# Altium PCB 2-quilter-output.pcbdoc (part 16 of 17) (continued)
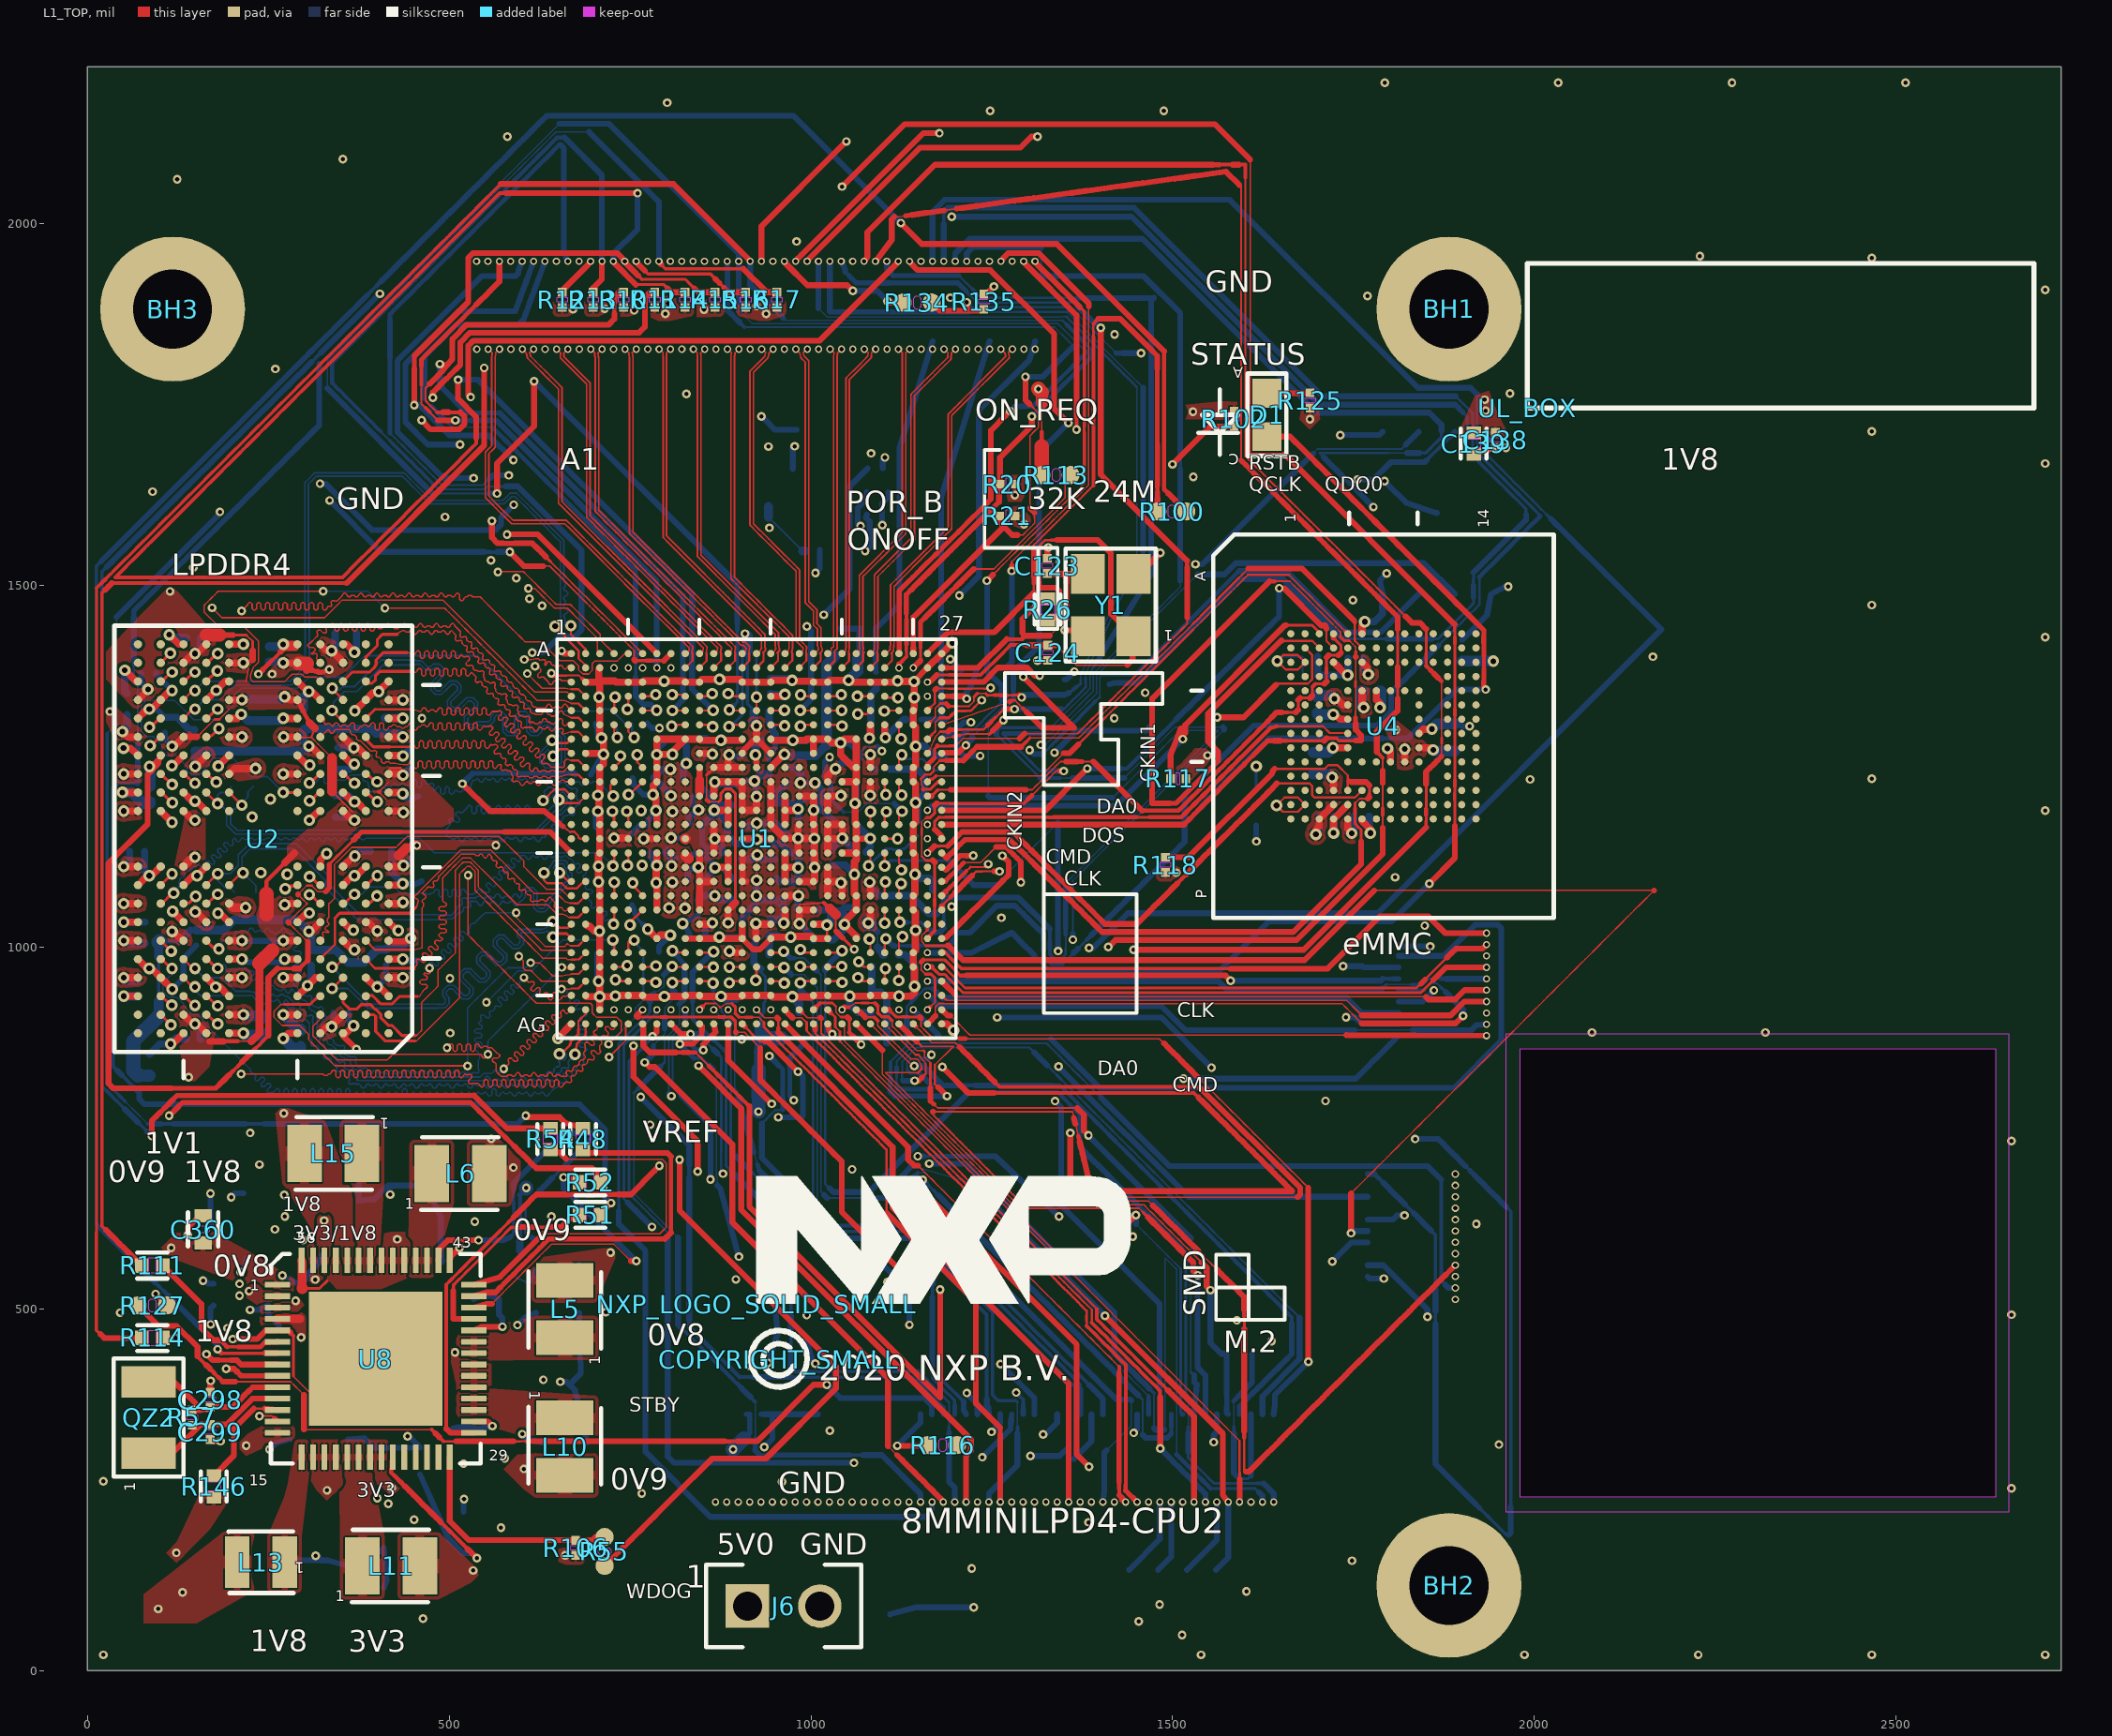
[diagram p0: L1_TOP view]
## Polygon pours and split planes (outlines as drawn) (continued)
NVCC_ENET on L1_TOP "POUR_81" (solid, pour order 81): 64 vertices, not listed, extent 1064.71,1018.83 1094.11,1063.16
NVCC_SD2 on L1_TOP "POUR_84" (solid, pour order 84): 64 vertices, not listed, extent 1066.53,1059.48 1095.93,1104.79
NVCC_SD2 on L1_TOP "POUR_85" (solid, pour order 85): 24 vertices, not listed, extent 301.39,530.44 325.86,591.25
NVCC_SNVS_1V8 on L1_TOP "POUR_92" (solid, pour order 92): 49 vertices, not listed, extent 1067.47,1236.64 1096.87,1280.88
NVCC_SNVS_1V8 on L1_TOP "POUR_93" (solid, pour order 93): 25 vertices, not listed, extent 1269.37,1576.75 1308.82,1610.23
NVCC_SNVS_1V8 on L1_TOP "POUR_94" (solid, pour order 94): 23 vertices, not listed, extent 1269.71,1615.63 1295.46,1652.59
NVCC_SNVS_1V8 on L1_TOP "POUR_95" (solid, pour order 95): 24 vertices, not listed, extent 1517.93,1728.09 1597.43,1754.95
NVCC_SNVS_1V8 on L1_TOP "POUR_96" (solid, pour order 96): 26 vertices, not listed, extent 238.67,491.41 300.01,517.65
NetL15_1 on L1_TOP "POUR_100" (solid, pour order 100): 42 vertices, not listed, extent 349.06,542.87 410.44,761.19
VDDA_1V8 on L1_TOP "POUR_101" (solid, pour order 101): 75 vertices, not listed, extent 893.53,1256.33 956.25,1320.6
VDDA_1V8 on L1_TOP "POUR_102" (solid, pour order 102): 71 vertices, not listed, extent 909.32,1000.42 956.25,1047.6
VDDA_1V8 on L1_TOP "POUR_103" (solid, pour order 103): 63 vertices, not listed, extent 713.19,1136.2 759.41,1165.6
VDDA_1V8 on L1_TOP "POUR_104" (solid, pour order 104): 60 vertices, not listed, extent 1011.63,1118.54 1058.26,1181.26
VDDA_1V8 on L1_TOP "POUR_105" (solid, pour order 105): 25 vertices, not listed, extent 317.13,542.87 342,632.31
VDD_1V8 on L1_TOP "POUR_115" (solid, pour order 115): 66 vertices, not listed, extent 134.57,1022.31 177.02,1063.48
VDD_1V8 on L1_TOP "POUR_116" (solid, pour order 116): 65 vertices, not listed, extent 134.63,1235.1 177.02,1277.49
VDD_1V8 on L1_TOP "POUR_117" (solid, pour order 117): 65 vertices, not listed, extent 291.62,1007.25 334.5,1047.17
VDD_1V8 on L1_TOP "POUR_118" (solid, pour order 118): 65 vertices, not listed, extent 291.62,1252.63 334.5,1292.55
VDD_1V8 on L1_TOP "POUR_119" (solid, pour order 119): 63 vertices, not listed, extent 404.13,1275.95 450.94,1305.35
VDD_1V8 on L1_TOP "POUR_120" (solid, pour order 120): 63 vertices, not listed, extent 404.13,996.72 461.53,1027.08
VDD_1V8 on L1_TOP "POUR_121" (solid, pour order 121): 49 vertices, not listed, extent 22.94,1278.22 82.53,1333.87
VDD_1V8 on L1_TOP "POUR_122" (solid, pour order 122): 53 vertices, not listed, extent 35.71,994.45 82.53,1023.85
VDD_1V8 on L1_TOP "POUR_123" (solid, pour order 123): 63 vertices, not listed, extent 872.79,979.9 916.89,1009.3
VDD_1V8 on L1_TOP "POUR_124" (solid, pour order 124): 71 vertices, not listed, extent 854.15,1236.64 916.89,1280.6
VDD_1V8 on L1_TOP "POUR_125" (solid, pour order 125): 63 vertices, not listed, extent 870.9,1018.92 900.3,1063.16
VDD_1V8 on L1_TOP "POUR_126" (solid, pour order 126): 74 vertices, not listed, extent 1011.63,1059.48 1056.33,1122.21
VDD_1V8 on L1_TOP "POUR_127" (solid, pour order 127): 70 vertices, not listed, extent 1011.63,1177.59 1056.31,1224.07
VDD_1V8 on L1_TOP "POUR_128" (solid, pour order 128): 70 vertices, not listed, extent 1683.1,1141.32 1733.96,1208.67
VDD_1V8 on L1_TOP "POUR_129" (solid, pour order 129): 63 vertices, not listed, extent 1705.69,1205 1735.09,1249.55
VDD_1V8 on L1_TOP "POUR_130" (solid, pour order 130): 65 vertices, not listed, extent 1730.29,1142.67 1762.16,1188.99
VDD_1V8 on L1_TOP "POUR_131" (solid, pour order 131): 65 vertices, not listed, extent 1749.97,1362.37 1784.97,1405.52
VDD_1V8 on L1_TOP "POUR_132" (solid, pour order 132): 24 vertices, not listed, extent 651.23,146.43 687.69,172.18
VDD_1V8 on L1_TOP "POUR_133" (solid, pour order 133): 36 vertices, not listed, extent 897.3,1865.46 965.69,1896.82
VDD_1V8 on L1_TOP "POUR_134" (solid, pour order 134): 24 vertices, not listed, extent 842.26,1871.14 880.27,1896.82
VDD_1V8 on L1_TOP "POUR_135" (solid, pour order 135): 37 vertices, not listed, extent 771.56,1865.36 838.7,1900.56
VDD_1V8 on L1_TOP "POUR_136" (solid, pour order 136): 34 vertices, not listed, extent 686.56,1871.44 721.16,1896.82
VDD_1V8 on L1_TOP "POUR_137" (solid, pour order 137): 34 vertices, not listed, extent 643.56,1871.44 677.21,1896.82
VDD_1V8 on L1_TOP "POUR_138" (solid, pour order 138): 34 vertices, not listed, extent 728.6,1871.44 761.85,1896.82
VDD_1V8 on L1_TOP "POUR_139" (solid, pour order 139): 31 vertices, not listed, extent 1899.31,1695.07 1960.19,1769.46
VDD_1V8 on L1_TOP "POUR_140" (solid, pour order 140): 31 vertices, not listed, extent 1503.83,1220.31 1554.37,1275.04
VDD_1V8 on L1_TOP "POUR_141" (solid, pour order 141): 30 vertices, not listed, extent 1477.31,1090.8 1510.76,1116.18
VDD_1V8 on L1_TOP "POUR_142" (solid, pour order 142): 28 vertices, not listed, extent 77.9,65.57 230.82,192.27
VDD_1V8 on L1_TOP "POUR_143" (solid, pour order 143): 26 vertices, not listed, extent 205.41,297.17 287.05,339.68
VDD_3V3 on L1_TOP "POUR_178" (solid, pour order 178): 70 vertices, not listed, extent 969.53,1018.06 1015.31,1063.16
VDD_3V3 on L1_TOP "POUR_179" (solid, pour order 179): 63 vertices, not listed, extent 834.47,1019.02 878.6,1048.42
VDD_3V3 on L1_TOP "POUR_180" (solid, pour order 180): 63 vertices, not listed, extent 834.47,1252.2 878.59,1281.6
VDD_3V3 on L1_TOP "POUR_181" (solid, pour order 181): 65 vertices, not listed, extent 1011.63,1216.96 1048.69,1261.37
VDD_3V3 on L1_TOP "POUR_182" (solid, pour order 182): 64 vertices, not listed, extent 1708.74,1323.11 1753.65,1358.14
VDD_3V3 on L1_TOP "POUR_183" (solid, pour order 183): 64 vertices, not listed, extent 1749.27,1316.46 1778.67,1366.15
VDD_3V3 on L1_TOP "POUR_184" (solid, pour order 184): 31 vertices, not listed, extent 1794.04,1244.37 1852.07,1314.24
VDD_3V3 on L1_TOP "POUR_185" (solid, pour order 185): 23 vertices, not listed, extent 1675.46,1715.59 1704.01,1757.94
VDD_3V3 on L1_TOP "POUR_186" (solid, pour order 186): 34 vertices, not listed, extent 429.06,98.81 540.55,191.19
VDD_3V3 on L1_TOP "POUR_187" (solid, pour order 187): 30 vertices, not listed, extent 380.13,240.57 432.47,319.59
VDD_3V3 on L1_TOP "POUR_188" (solid, pour order 188): 26 vertices, not listed, extent 108.89,148.97 191.69,255.93
VDD_ARM_0V9 on L1_TOP "POUR_213" (solid, pour order 213): 63 vertices, not listed, extent 952.58,1056.46 997.54,1085.86
VDD_ARM_0V9 on L1_TOP "POUR_214" (solid, pour order 214): 63 vertices, not listed, extent 947.83,1018.65 977.23,1063.16
VDD_ARM_0V9 on L1_TOP "POUR_215" (solid, pour order 215): 78 vertices, not listed, extent 893.53,1039.8 956.25,1144.1
VDD_ARM_0V9 on L1_TOP "POUR_216" (solid, pour order 216): 32 vertices, not listed, extent 525.03,641.24 598.78,733.62
VDD_DRAM&PU_0V9 on L1_TOP "POUR_224" (solid, pour order 224): 78 vertices, not listed, extent 852.45,1177.59 939.59,1243.1
VDD_DRAM&PU_0V9 on L1_TOP "POUR_225" (solid, pour order 225): 75 vertices, not listed, extent 829.7,1039.8 897.2,1125.31
VDD_DRAM&PU_0V9 on L1_TOP "POUR_226" (solid, pour order 226): 83 vertices, not listed, extent 814.79,1118.54 897.2,1220.64
VDD_DRAM&PU_0V9 on L1_TOP "POUR_227" (solid, pour order 227): 27 vertices, not listed, extent 575.12,239.56 706.19,300.94
VDD_PHY_0V9 on L1_TOP "POUR_238" (solid, pour order 238): 63 vertices, not listed, extent 908.77,1236.64 938.17,1280.55
VDD_PHY_0V9 on L1_TOP "POUR_239" (solid, pour order 239): 30 vertices, not listed, extent 101.79,522.9 287.05,606.99
VDD_PHY_1V2 on L1_TOP "POUR_241" (solid, pour order 241): 67 vertices, not listed, extent 932.89,1236.64 978.1,1281.31
VDD_SNVS_0V8 on L1_TOP "POUR_245" (solid, pour order 245): 63 vertices, not listed, extent 1067.28,1195.09 1096.68,1240.32
VDD_SNVS_0V8 on L1_TOP "POUR_246" (solid, pour order 246): 28 vertices, not listed, extent 217.42,503.95 287.05,534.75
VDD_SOC_0V8 on L1_TOP "POUR_250" (solid, pour order 250): 51 vertices, not listed, extent 932.89,1212.34 1000.32,1260
VDD_SOC_0V8 on L1_TOP "POUR_251" (solid, pour order 251): 83 vertices, not listed, extent 932.89,1079.16 1019.84,1220.64
VDD_SOC_0V8 on L1_TOP "POUR_252" (solid, pour order 252): 63 vertices, not listed, extent 893.53,1156.72 939.8,1186.12
VDD_SOC_0V8 on L1_TOP "POUR_253" (solid, pour order 253): 35 vertices, not listed, extent 613.81,509.06 729.73,584.3
VINT on L1_TOP "POUR_257" (solid, pour order 257): 34 vertices, not listed, extent 238.67,454.93 303.4,497.18
VSYS_5V on L1_TOP "POUR_259" (solid, pour order 259): 35 vertices, not listed, extent 502.21,381.17 558.71,446.01
VSYS_5V on L1_TOP "POUR_260" (solid, pour order 260): 27 vertices, not listed, extent 331.32,526.97 450.83,606.41
VSYS_5V on L1_TOP "POUR_261" (solid, pour order 261): 31 vertices, not listed, extent 301.39,235.22 357.75,319.59
NVCC_DRAM_1V1 on L3_INNER1 "POUR_43" (solid, pour order 43): 63 vertices, not listed, extent 354.61,1160.79 451.53,1200.87
NVCC_DRAM_1V1 on L3_INNER1 "POUR_44" (solid, pour order 44): 19 vertices, not listed, extent 11.34,713.68 291.8,1320.44
NVCC_DRAM_1V1 on L3_INNER1 "POUR_45" (solid, pour order 45): 45 vertices, not listed, extent 183.09,875.34 361.12,992.98
NVCC_DRAM_1V1 on L3_INNER1 "POUR_46" (solid, pour order 46): 42 vertices, not listed, extent 217.95,1224.77 296.18,1261.6
NVCC_DRAM_1V1 on L3_INNER1 "POUR_47" (solid, pour order 47): 42 vertices, not listed, extent 247.47,1371.53 285.59,1407.71
NVCC_DRAM_1V1 on L3_INNER1 "POUR_48" (solid, pour order 48): 25 vertices, not listed, extent 321.18,1375.76 638.65,1487.71
NVCC_DRAM_1V1 on L3_INNER1 "POUR_49" (solid, pour order 49): 60 vertices, not listed, extent 328.19,943.27 450.94,1037.24
NVCC_DRAM_1V1 on L3_INNER1 "POUR_50" (solid, pour order 50): 48 vertices, not listed, extent 355.13,1111.38 461.4,1146.64
NVCC_DRAM_1V1 on L3_INNER1 "POUR_51" (solid, pour order 51): 65 vertices, not listed, extent 791.19,1231.2 842.59,1268.6
NVCC_DRAM_1V1 on L3_INNER1 "POUR_52" (solid, pour order 52): 72 vertices, not listed, extent 789.48,1039.2 840.59,1165.75
NVCC_DRAM_1V1 on L3_INNER1 "POUR_53" (solid, pour order 53): 63 vertices, not listed, extent 792.08,1172.64 823.42,1223.84
NVCC_DRAM_1V1 on L3_INNER1 "POUR_54" (solid, pour order 54): 67.54,1494.68 86.62,1544.41 143.36,1601.14 551.71,1553.76 559.31,1546.94 568.79,1539.42 572.25,1536.04 559.33,1520.7 311.79,1489.63 134.59,1471.64 90.58,1471.64 81.73,1480.49
VDD_SOC_0V8 on L3_INNER1 "POUR_254" (solid, pour order 254): 20 vertices, not listed, extent 592.62,568.24 733.07,690.22
NVCC_DRAM_1V1 on L8_BOT "POUR_55" (solid, pour order 55): 40 vertices, not listed, extent 326.31,1160.79 470.58,1200.87
NVCC_DRAM_1V1 on L8_BOT "POUR_56" (solid, pour order 56): 52 vertices, not listed, extent 94.51,1263.15 132.04,1309.47
NVCC_DRAM_1V1 on L8_BOT "POUR_57" (solid, pour order 57): 40 vertices, not listed, extent 134.14,1391.11 170.22,1534
NVCC_DRAM_1V1 on L8_BOT "POUR_58" (solid, pour order 58): 52 vertices, not listed, extent 134.14,860.94 169.39,908.69
NVCC_DRAM_1V1 on L8_BOT "POUR_59" (solid, pour order 59): 65 vertices, not listed, extent 199.14,992.97 285.59,1024.35
NVCC_DRAM_1V1 on L8_BOT "POUR_60" (solid, pour order 60): 64 vertices, not listed, extent 199.14,1326.97 287.51,1360.7
NVCC_DRAM_1V1 on L8_BOT "POUR_61" (solid, pour order 61): 51 vertices, not listed, extent 201.07,889.55 255.31,921.49
NVCC_DRAM_1V1 on L8_BOT "POUR_62" (solid, pour order 62): 51 vertices, not listed, extent 238.93,1378.31 285.59,1407.71
NVCC_DRAM_1V1 on L8_BOT "POUR_63" (solid, pour order 63): 54 vertices, not listed, extent 256.19,871.47 307.67,921.49
NVCC_DRAM_1V1 on L8_BOT "POUR_64" (solid, pour order 64): 48 vertices, not listed, extent 323.08,1395.21 358.16,1450.74
NVCC_DRAM_1V1 on L8_BOT "POUR_65" (solid, pour order 65): 50 vertices, not listed, extent 323.24,875.34 352.75,922.25
NVCC_DRAM_1V1 on L8_BOT "POUR_66" (solid, pour order 66): 50 vertices, not listed, extent 329.85,1259.75 383.26,1291.13
NVCC_DRAM_1V1 on L8_BOT "POUR_67" (solid, pour order 67): 50 vertices, not listed, extent 355.13,1111.38 406.82,1149.59
NVCC_DRAM_1V1 on L8_BOT "POUR_68" (solid, pour order 68): 50 vertices, not listed, extent 421.54,1310.25 468.57,1356.53
NVCC_DRAM_1V1 on L8_BOT "POUR_69" (solid, pour order 69): 44 vertices, not listed, extent 421.54,943.27 507.3,974.45
NVCC_DRAM_1V1 on L8_BOT "POUR_70" (solid, pour order 70): 47 vertices, not listed, extent 422.34,1098.24 479.19,1149.18
NVCC_DRAM_1V1 on L8_BOT "POUR_71" (solid, pour order 71): 52 vertices, not listed, extent 35.71,1096.81 71.14,1144.95
NVCC_DRAM_1V1 on L8_BOT "POUR_72" (solid, pour order 72): 51 vertices, not listed, extent 35.71,940.72 81.58,972.67
NVCC_DRAM_1V1 on L8_BOT "POUR_73" (solid, pour order 73): 52 vertices, not listed, extent 61.69,1341.73 98.74,1391.59
NVCC_DRAM_1V1 on L8_BOT "POUR_74" (solid, pour order 74): 42 vertices, not listed, extent 806.71,1220.92 842.59,1297.59
NVCC_DRAM_1V1 on L8_BOT "POUR_75" (solid, pour order 75): 56 vertices, not listed, extent 766.65,1041.41 823.32,1127.08
NVCC_DRAM_1V1 on L8_BOT "POUR_76" (solid, pour order 76): 62 vertices, not listed, extent 767.32,1194.44 821.48,1260.6
NVCC_DRAM_1V1 on L8_BOT "POUR_77" (solid, pour order 77): 47 vertices, not listed, extent 735.73,1120.28 839.94,1182.2
NVCC_DRAM_1V1 on L8_BOT "POUR_78" (solid, pour order 78): 43 vertices, not listed, extent 218.39,680.74 334.3,750.29
NVCC_DRAM_1V1 on L8_BOT "POUR_79" (solid, pour order 79): 20 vertices, not listed, extent 552.07,1457.66 642.8,1549.02
NVCC_DRAM_1V1 on L8_BOT "POUR_80" (solid, pour order 80): 562.75,1539.96 592.75,1538.33 623.96,1539.96 621.72,1509.36 625.76,1481.67 623.96,1455.1 597.4,1453.3 562.75,1455.1 564.99,1485.71 562.75,1509.36
NVCC_ENET on L8_BOT "POUR_82" (solid, pour order 82): 22 vertices, not listed, extent 1791.54,1008.75 1862.53,1044.03
NVCC_ENET on L8_BOT "POUR_83" (solid, pour order 83): 27 vertices, not listed, extent 1042.8,678.85 1112.58,954.95
NVCC_SD2 on L8_BOT "POUR_88" (solid, pour order 88): 56 vertices, not listed, extent 1066.53,1028.82 1184.18,1104.79
NVCC_SD2 on L8_BOT "POUR_89" (solid, pour order 89): 32 vertices, not listed, extent 1186.8,1028.42 1212.18,1062.16
NVCC_SD2 on L8_BOT "POUR_90" (solid, pour order 90): 23 vertices, not listed, extent 1250.24,1027.71 1290.19,1054.19
NVCC_SD2 on L8_BOT "POUR_91" (solid, pour order 91): 34 vertices, not listed, extent 182.64,584.74 283.27,643.26
NVCC_SNVS_1V8 on L8_BOT "POUR_98" (solid, pour order 98): 51 vertices, not listed, extent 1067.47,1233.33 1101.12,1280.88
NVCC_SNVS_1V8 on L8_BOT "POUR_99" (solid, pour order 99): 26 vertices, not listed, extent 182.82,492.31 220.18,528.11
VDDA_1V8 on L8_BOT "POUR_109" (solid, pour order 109): 51 vertices, not listed, extent 908.69,1291.2 939.59,1338.59
VDDA_1V8 on L8_BOT "POUR_110" (solid, pour order 110): 52 vertices, not listed, extent 908.59,976.72 938.72,1047.6
VDDA_1V8 on L8_BOT "POUR_111" (solid, pour order 111): 51 vertices, not listed, extent 690.31,1131.51 742.59,1165.6
VDDA_1V8 on L8_BOT "POUR_112" (solid, pour order 112): 49 vertices, not listed, extent 1016.2,1118.76 1067.72,1165.35
VDDA_1V8 on L8_BOT "POUR_113" (solid, pour order 113): 37 vertices, not listed, extent 944.78,857.17 976.92,923.79
VDDA_1V8 on L8_BOT "POUR_114" (solid, pour order 114): 26 vertices, not listed, extent 238.01,641.31 282.18,678.69
VDD_1V8 on L8_BOT "POUR_152" (solid, pour order 152): 41 vertices, not listed, extent 1124.1,212.58 1147.46,253.96
VDD_1V8 on L8_BOT "POUR_153" (solid, pour order 153): 41 vertices, not listed, extent 1108.35,212.58 1131.71,253.96
VDD_1V8 on L8_BOT "POUR_154" (solid, pour order 154): 41 vertices, not listed, extent 1092.6,212.58 1115.96,253.96
VDD_1V8 on L8_BOT "POUR_155" (solid, pour order 155): 41 vertices, not listed, extent 1076.86,212.58 1100.22,253.96
VDD_1V8 on L8_BOT "POUR_156" (solid, pour order 156): 41 vertices, not listed, extent 1061.11,212.58 1084.47,253.96
VDD_1V8 on L8_BOT "POUR_157" (solid, pour order 157): 41 vertices, not listed, extent 1045.36,212.58 1068.72,253.96
VDD_1V8 on L8_BOT "POUR_158" (solid, pour order 158): 41 vertices, not listed, extent 1029.61,212.58 1052.97,253.96
VDD_1V8 on L8_BOT "POUR_159" (solid, pour order 159): 41 vertices, not listed, extent 1013.86,212.58 1037.22,253.96
VDD_1V8 on L8_BOT "POUR_160" (solid, pour order 160): 66 vertices, not listed, extent 131.89,1235.1 450.94,1315.92
VDD_1V8 on L8_BOT "POUR_161" (solid, pour order 161): 49 vertices, not listed, extent 137.91,970.62 461.53,1046.39
VDD_1V8 on L8_BOT "POUR_162" (solid, pour order 162): 50 vertices, not listed, extent 34.02,1283.29 71.58,1336.83
VDD_1V8 on L8_BOT "POUR_163" (solid, pour order 163): 51 vertices, not listed, extent 35.71,989.55 96.69,1023.85
VDD_1V8 on L8_BOT "POUR_164" (solid, pour order 164): 50 vertices, not listed, extent 872.19,1251.12 917.69,1280.6
VDD_1V8 on L8_BOT "POUR_165" (solid, pour order 165): 49 vertices, not listed, extent 1014.46,1058.55 1073.46,1103.82
VDD_1V8 on L8_BOT "POUR_166" (solid, pour order 166): 51 vertices, not listed, extent 1026.91,1194.67 1056.31,1241.46
VDD_1V8 on L8_BOT "POUR_167" (solid, pour order 167): 51 vertices, not listed, extent 1683.1,1141.32 1715.18,1193.69
VDD_1V8 on L8_BOT "POUR_168" (solid, pour order 168): 50 vertices, not listed, extent 1677.61,1220.15 1735.09,1255.12
VDD_1V8 on L8_BOT "POUR_169" (solid, pour order 169): 52 vertices, not listed, extent 1732.76,1142.67 1763.18,1193.69
VDD_1V8 on L8_BOT "POUR_170" (solid, pour order 170): 51 vertices, not listed, extent 1750.52,1362.37 1784.97,1411.84
VDD_1V8 on L8_BOT "POUR_171" (solid, pour order 171): 51 vertices, not listed, extent 1883.31,1379.55 1957.7,1410.93
VDD_1V8 on L8_BOT "POUR_172" (solid, pour order 172): 29 vertices, not listed, extent 898.3,866.6 930.13,940.45
VDD_1V8 on L8_BOT "POUR_173" (solid, pour order 173): 35 vertices, not listed, extent 1921.31,1685.51 1958.69,1747.31
VDD_1V8 on L8_BOT "POUR_174" (solid, pour order 174): 42 vertices, not listed, extent 1080.09,113.87 1236.38,162.47
VDD_1V8 on L8_BOT "POUR_175" (solid, pour order 175): 41 vertices, not listed, extent 117.64,94.41 239.3,182.26
VDD_1V8 on L8_BOT "POUR_176" (solid, pour order 176): 27 vertices, not listed, extent 1395.77,1306.26 1429.23,1349.49
VDD_1V8 on L8_BOT "POUR_177" (solid, pour order 177): 27 vertices, not listed, extent 1450.64,1318.04 1484.02,1361.75
VDD_3V3 on L8_BOT "POUR_194" (solid, pour order 194): 53 vertices, not listed, extent 969.53,997.37 1016.47,1047.46
VDD_3V3 on L8_BOT "POUR_195" (solid, pour order 195): 52 vertices, not listed, extent 841.24,1002.58 878.6,1048.42
VDD_3V3 on L8_BOT "POUR_196" (solid, pour order 196): 51 vertices, not listed, extent 833.2,1252.2 878.59,1281.6
VDD_3V3 on L8_BOT "POUR_197" (solid, pour order 197): 51 vertices, not listed, extent 1019.29,1231.97 1072.92,1267.69
VDD_3V3 on L8_BOT "POUR_198" (solid, pour order 198): 45 vertices, not listed, extent 1679.09,1316.46 1778.67,1369.29
VDD_3V3 on L8_BOT "POUR_199" (solid, pour order 199): 49 vertices, not listed, extent 1845.28,1255.61 1908.69,1287.36
VDD_3V3 on L8_BOT "POUR_200" (solid, pour order 200): 47 vertices, not listed, extent 1011.35,317.89 1148.74,375.22
VDD_3V3 on L8_BOT "POUR_201" (solid, pour order 201): 51 vertices, not listed, extent 1030.7,425.74 1113.26,544.58
VDD_3V3 on L8_BOT "POUR_202" (solid, pour order 202): 54 vertices, not listed, extent 441.87,85.74 494.3,218.77
VDD_3V3 on L8_BOT "POUR_203" (solid, pour order 203): 35 vertices, not listed, extent 391.31,224.78 428.69,286.99
VDD_3V3 on L8_BOT "POUR_204" (solid, pour order 204): 33 vertices, not listed, extent 990.27,1546.26 1031.09,1731.69
VDD_3V3 on L8_BOT "POUR_205" (solid, pour order 205): 17 vertices, not listed, extent 918.91,1599.3 956.29,1701.86
VDD_3V3 on L8_BOT "POUR_206" (solid, pour order 206): 25 vertices, not listed, extent 503.31,174.55 581.82,207.92
VDD_3V3 on L8_BOT "POUR_207" (solid, pour order 207): 19 vertices, not listed, extent 1419.82,40.07 1481.37,125.83
VDD_3V3 on L8_BOT "POUR_208" (solid, pour order 208): 24 vertices, not listed, extent 1463.2,77.48 1496.58,125.83
VDD_3V3 on L8_BOT "POUR_209" (solid, pour order 209): 19 vertices, not listed, extent 1484.57,21.32 1539.94,125.83
VDD_3V3 on L8_BOT "POUR_210" (solid, pour order 210): 23 vertices, not listed, extent 1543.2,94.45 1611.77,125.83
VDD_3V3 on L8_BOT "POUR_211" (solid, pour order 211): 27 vertices, not listed, extent 1557.97,451.97 1598.64,494.41
VDD_3V3 on L8_BOT "POUR_212" (solid, pour order 212): 25 vertices, not listed, extent 1592.97,441.5 1650.73,483.35
VDD_ARM_0V9 on L8_BOT "POUR_219" (solid, pour order 219): 68 vertices, not listed, extent 892.44,1018.65 997.54,1107.38
VDD_ARM_0V9 on L8_BOT "POUR_220" (solid, pour order 220): 42 vertices, not listed, extent 891.16,1108.94 963.05,1142.21
VDD_ARM_0V9 on L8_BOT "POUR_221" (solid, pour order 221): 47 vertices, not listed, extent 512.7,677.74 568.29,745.21
VDD_ARM_0V9 on L8_BOT "POUR_222" (solid, pour order 222): 50 vertices, not listed, extent 512.7,609.07 591.69,681.26
VDD_ARM_0V9 on L8_BOT "POUR_223" (solid, pour order 223): 25 vertices, not listed, extent 603.31,609.07 651.42,640.45
VDD_DRAM&PU_0V9 on L8_BOT "POUR_230" (solid, pour order 230): 63 vertices, not listed, extent 852.45,1193.4 954.39,1251.29
VDD_DRAM&PU_0V9 on L8_BOT "POUR_231" (solid, pour order 231): 42 vertices, not listed, extent 831.93,1049.48 909.23,1085.86
VDD_DRAM&PU_0V9 on L8_BOT "POUR_232" (solid, pour order 232): 53 vertices, not listed, extent 852.44,1117.72 890.02,1164.46
VDD_DRAM&PU_0V9 on L8_BOT "POUR_233" (solid, pour order 233): 44 vertices, not listed, extent 819.21,1158.5 859.42,1221.3
VDD_DRAM&PU_0V9 on L8_BOT "POUR_234" (solid, pour order 234): 52 vertices, not listed, extent 817.25,1078.87 859.1,1125.31
VDD_DRAM&PU_0V9 on L8_BOT "POUR_235" (solid, pour order 235): 44 vertices, not listed, extent 660.74,230.7 776.28,279.3
VDD_DRAM&PU_0V9 on L8_BOT "POUR_236" (solid, pour order 236): 55 vertices, not listed, extent 523.31,230.7 659.26,326.52
VDD_DRAM&PU_0V9 on L8_BOT "POUR_237" (solid, pour order 237): 26 vertices, not listed, extent 488.31,272.17 534.13,320.93
VDD_PHY_0V9 on L8_BOT "POUR_240" (solid, pour order 240): 51 vertices, not listed, extent 908.77,1251.15 942.47,1299.14
VDD_PHY_1V2 on L8_BOT "POUR_243" (solid, pour order 243): 54 vertices, not listed, extent 948.7,1251.91 1050.93,1420.69
VDD_PHY_1V2 on L8_BOT "POUR_244" (solid, pour order 244): 39 vertices, not listed, extent 918.91,1427.31 1032.18,1587.05
VDD_SNVS_0V8 on L8_BOT "POUR_248" (solid, pour order 248): 51 vertices, not listed, extent 1067.28,1195.09 1148.04,1242.12
VDD_SNVS_0V8 on L8_BOT "POUR_249" (solid, pour order 249): 26 vertices, not listed, extent 182.82,522.31 217.22,547.69
VDD_SOC_0V8 on L8_BOT "POUR_255" (solid, pour order 255): 53 vertices, not listed, extent 892.57,1078.09 1048.36,1261.04
VDD_SOC_0V8 on L8_BOT "POUR_256" (solid, pour order 256): 56 vertices, not listed, extent 517.31,527.31 649.26,579.3
VINT on L8_BOT "POUR_258" (solid, pour order 258): 18 vertices, not listed, extent 181.55,440.41 250.93,487.7
VSYS_5V on L8_BOT "POUR_263" (solid, pour order 263): 41 vertices, not listed, extent 903.63,212.58 926.99,253.96
VSYS_5V on L8_BOT "POUR_264" (solid, pour order 264): 41 vertices, not listed, extent 887.88,212.58 911.24,253.96
VSYS_5V on L8_BOT "POUR_265" (solid, pour order 265): 41 vertices, not listed, extent 872.13,212.58 895.49,253.96
VSYS_5V on L8_BOT "POUR_266" (solid, pour order 266): 41 vertices, not listed, extent 856.38,212.58 879.74,253.96
VSYS_5V on L8_BOT "POUR_267" (solid, pour order 267): 47 vertices, not listed, extent 857.37,333.84 926,375.22
VSYS_5V on L8_BOT "POUR_268" (solid, pour order 268): 38 vertices, not listed, extent 865.7,411.68 924.4,555.08
VSYS_5V on L8_BOT "POUR_269" (solid, pour order 269): 68 vertices, not listed, extent 595.7,335.74 646.69,474.26
VSYS_5V on L8_BOT "POUR_270" (solid, pour order 270): 72 vertices, not listed, extent 250.74,180.7 410.56,284.3
VSYS_5V on L8_BOT "POUR_271" (solid, pour order 271): 60 vertices, not listed, extent 233.31,519.07 454.3,620.45
NVCC_SD2 on L5_PWR "POUR_86" (solid, pour order 86): 267.2,627.82 267.35,629.16 267.97,633.09 271.9,633.71 292.35,642 330.34,620.44 333.51,607.49 333.51,572.9 333.51,554.43 325.07,530.64 305.01,530.64 296.56,554.43 267.97,622.54 267.35,626.47
NVCC_SD2 on L5_PWR "POUR_87" (solid, pour order 87): 20 vertices, not listed, extent 1050.05,498.19 1285.98,1062.16
VDD_1V8 on L5_PWR "POUR_144" (solid, pour order 144): 46 vertices, not listed, extent 1013.86,219.73 1668.52,1305.13
VDD_1V8 on L5_PWR "POUR_145" (solid, pour order 145): 58 vertices, not listed, extent 421.54,997.68 496.71,1305.35
VDD_1V8 on L5_PWR "POUR_146" (solid, pour order 146): 59 vertices, not listed, extent 1026.91,1074.42 1078.01,1224.07
VDD_1V8 on L5_PWR "POUR_147" (solid, pour order 147): 44 vertices, not listed, extent 1683.1,1121.05 1957.7,1776.67
VDD_1V8 on L5_PWR "POUR_148" (solid, pour order 148): 138.83,301.27 139.35,314.38 139.05,394.61 299.53,395.21 335.43,227.6 221.95,114.13 131.82,80.22 107.99,75.6 87.93,75.6 87.93,107.76
VDD_1V8 on L5_PWR "POUR_149" (solid, pour order 149): 585.39,181.54 578.29,188.63 592.48,202.81 1222.2,151.5 1232.23,151.5 1228.09,142.81 1228.24,141.47 1228.09,140.12 1232.23,131.44 635.49,131.44 617.19,149.73
VDD_1V8 on L5_PWR "POUR_150" (solid, pour order 150): 807.79,1917.5 923.74,1916.03 933.69,1914.23 938.01,1903.86 945.05,1894.73 962.9,1878.97 962.9,1869.06 962.9,1849 781.39,1837.15 678.3,1846.14 642.8,1881.64 671.16,1910.01
VDD_1V8 on L5_PWR "POUR_151" (solid, pour order 151): 1419.2,1325.99 1456.61,1357 1460.54,1357.62 1461.88,1357.77 1463.23,1357.62 1467.16,1357 1471.91,1345.21 1471.91,1297.94 1453.51,1273.66 1443.48,1269.5 1433.45,1273.66 1429.29,1283.68 1417.16,1304.15 1409.5,1316.29
VDD_3V3 on L5_PWR "POUR_189" (solid, pour order 189): 63 vertices, not listed, extent 1749.27,1259.2 1835.41,1345.86
VDD_3V3 on L5_PWR "POUR_190" (solid, pour order 190): 123.07,177.34 420.52,309.25 487.28,272.32 495.6,264.15 495.6,195.71 480.27,180.38 451.9,152.01 255.08,52.52 84.24,52.52 64.84,71.92 64.84,119.11 115.98,170.24
VDD_3V3 on L5_PWR "POUR_191" (solid, pour order 191): 25 vertices, not listed, extent 526.65,20.19 1502.29,187.96
VDD_3V3 on L5_PWR "POUR_192" (solid, pour order 192): 1489.86,59.71 1545.01,109.78 1566.14,136 1601.31,166.08 1641.57,166.08 1681.69,166.08 1681.69,85.85 1601.74,53.05 1479.56,21.04 1465.37,35.23
VDD_3V3 on L5_PWR "POUR_193" (solid, pour order 193): 1361.66,484.38 1588.61,711.33 1781.29,668.36 1798.33,430.22 1798.28,423.89 1797.21,263.42 1476.27,265.57
NVCC_SNVS_1V8 on L6_PWR "POUR_97" (solid, pour order 97): 32 vertices, not listed, extent 1053.27,1251.48 1433.91,1705.1
VDDA_1V8 on L6_PWR "POUR_106" (solid, pour order 106): 53 vertices, not listed, extent 708.94,1018.2 938.72,1165.6
VDDA_1V8 on L6_PWR "POUR_107" (solid, pour order 107): 35 vertices, not listed, extent 899.02,1135.95 1058.26,1443.34
VDDA_1V8 on L6_PWR "POUR_108" (solid, pour order 108): 298.12,667.73 308.07,657.78 315.16,650.69 322.25,643.6 337.49,628.35 337.49,622.28 337.49,612.26 317.44,612.26 262.12,647.67 262.12,667.73
VDD_ARM_0V9 on L6_PWR "POUR_217" (solid, pour order 217): 63 vertices, not listed, extent 910.28,1077.98 940.59,1142.21
VDD_ARM_0V9 on L6_PWR "POUR_218" (solid, pour order 218): 521.88,783.11 651.06,783.11 734.24,755.22 752.65,681.52 755.24,659.56 734.24,583.27 641.39,514.4 535.57,540.48 455.33,540.48 455.33,700.96
VDD_DRAM&PU_0V9 on L6_PWR "POUR_228" (solid, pour order 228): 44 vertices, not listed, extent 829.08,1056.46 882.01,1176.06
VDD_DRAM&PU_0V9 on L6_PWR "POUR_229" (solid, pour order 229): 519.94,257.98 491.58,286.35 510.19,314.48 566.92,371.21 585.8,355.55 617.07,321.07 643.61,297.74 643.61,279.07 643.61,238.95 563.37,238.95
VDD_PHY_1V2 on L6_PWR "POUR_242" (solid, pour order 242): 35 vertices, not listed, extent 875.94,1251.91 978.1,1593.78
VDD_SNVS_0V8 on L6_PWR "POUR_247" (solid, pour order 247): 208.45,527.21 205.64,530.02 200.79,534.87 210.49,544.57 230.29,540.92 237.15,540.92 237.15,527.21 228.19,520.95 227.23,519.99 226.08,519.27 224.81,518.82 223.46,518.67 222.12,518.82 220.84,519.27 219.69,519.99
VSYS_5V on L6_PWR "POUR_262" (solid, pour order 262): 321.27,605.65 408.52,616.44 448.64,616.44 588.52,520.18 658.58,430.6 686.95,402.23 630.22,345.5 409.35,224.26 329.12,224.26 329.12,421.28 288.26,585.59 288.26,605.65
GND on L2_GND "POUR_272" (solid, pour order 272): 2717.94,2206.94 2717.94,10.06 10.06,10.06 10.06,2206.94
GND on L4_GND "POUR_273" (solid, pour order 273): 2717.94,2206.94 2717.94,10.06 10.06,10.06 10.06,2206.94
GND on L7_GND "POUR_274" (solid, pour order 274): 2717.94,2206.94 2717.94,10.06 10.06,10.06 10.06,2206.94

## Keep-outs
Keep-Out Layer:
  region: 1960,220 2656,220 2656,880 1960,880

## Silkscreen, mask and mechanical layers (free items; w line width, h text height)
Top Overlay:
  circle w8: c955.92,431.2 r39
  lines w5: 1261.31,1687.3 1240,1687.3 1240,1552 1314,1552 ; 1322,1214 1322,909 1450,909 1450,1073 1325,1073 ; 1560,530 1655,530 1655,485 1605,485 ; 1314,1552 1316,1552 1341,1552 1341,1440 1314,1440 1314,1552 ; 1605,485 1605,575 1560,575 1560,485 1605,485 ; 1268,1317 1268,1379 1280,1379 1486,1379 1486,1336 1401,1336 1401,1287 1425,1287 1425,1224 1322,1224 1322,1317 1268,1317
  lines w8: 970.92,446.2 ccw(c955.92,430.2) 975.92,421.2
  text "GND" at 1545,1905 h30
  text "STATUS" at 1525,1805 h30
  text "ON_REQ" at 1227,1728 h30
  text "A1" at 654,1660 h30
  text "RSTB" at 1605,1660 h20
  text "1V8" at 2175,1660 h30
  text "QCLK" at 1605,1630 h20
  text "QDQ0" at 1710,1630 h20
  text "24M" at 1390,1615 h30
  text "GND" at 345,1605 h30
  text "32K" at 1300,1605 h30
  text "POR_B" at 1049,1601 h30
  text "ONOFF" at 1050,1549 h30
  text "LPDDR4" at 117,1514 h30
  text "CKIN1" at 1476,1228 h20 r90
  text "DA0" at 1395,1185 h20
  text "DQS" at 1375,1145 h20
  text "CKIN2" at 1292,1134 h20 r90
  text "CMD" at 1325,1115 h20
  text "CLK" at 1350,1085 h20
  text "eMMC" at 1735,990 h30
  text "CLK" at 1506,903 h20
  text "DA0" at 1396,823 h20
  text "CMD" at 1500,800 h20
  text "VREF" at 768,730 h30
  text "1V1" at 79,715 h30
  text "0V9" at 29,675 h30
  text "1V8" at 134,675 h30
  text "1V8" at 270,635 h20
  text "3V3/1V8" at 284,595 h20
  text "0V9" at 589,595 h30
  text "0V8" at 174,545 h30
  text "SMD" at 1545,490 h30 r90
  text "1V8" at 149,455 h30
  text "0V8" at 774,450 h30
  text "M.2" at 1570,440 h30
  text "2020 NXP B.V." at 1010.92,401.2 h35
  text "STBY" at 749,358 h20
  text "0V9" at 723,250 h30
  text "GND" at 955,245 h30
  text "3V3" at 373,240 h20
  text "8MMINILPD4-CPU2" at 1125,190 h35
  text "5V0" at 870,160 h30
  text "GND" at 985,160 h30
  text "WDOG" at 745,100 h20
  text "1V8" at 225,27 h30
  text "3V3" at 361,26 h30